# Altium PCB 3-as-manufactured.pcbdoc (part 1 of 12) (continued)
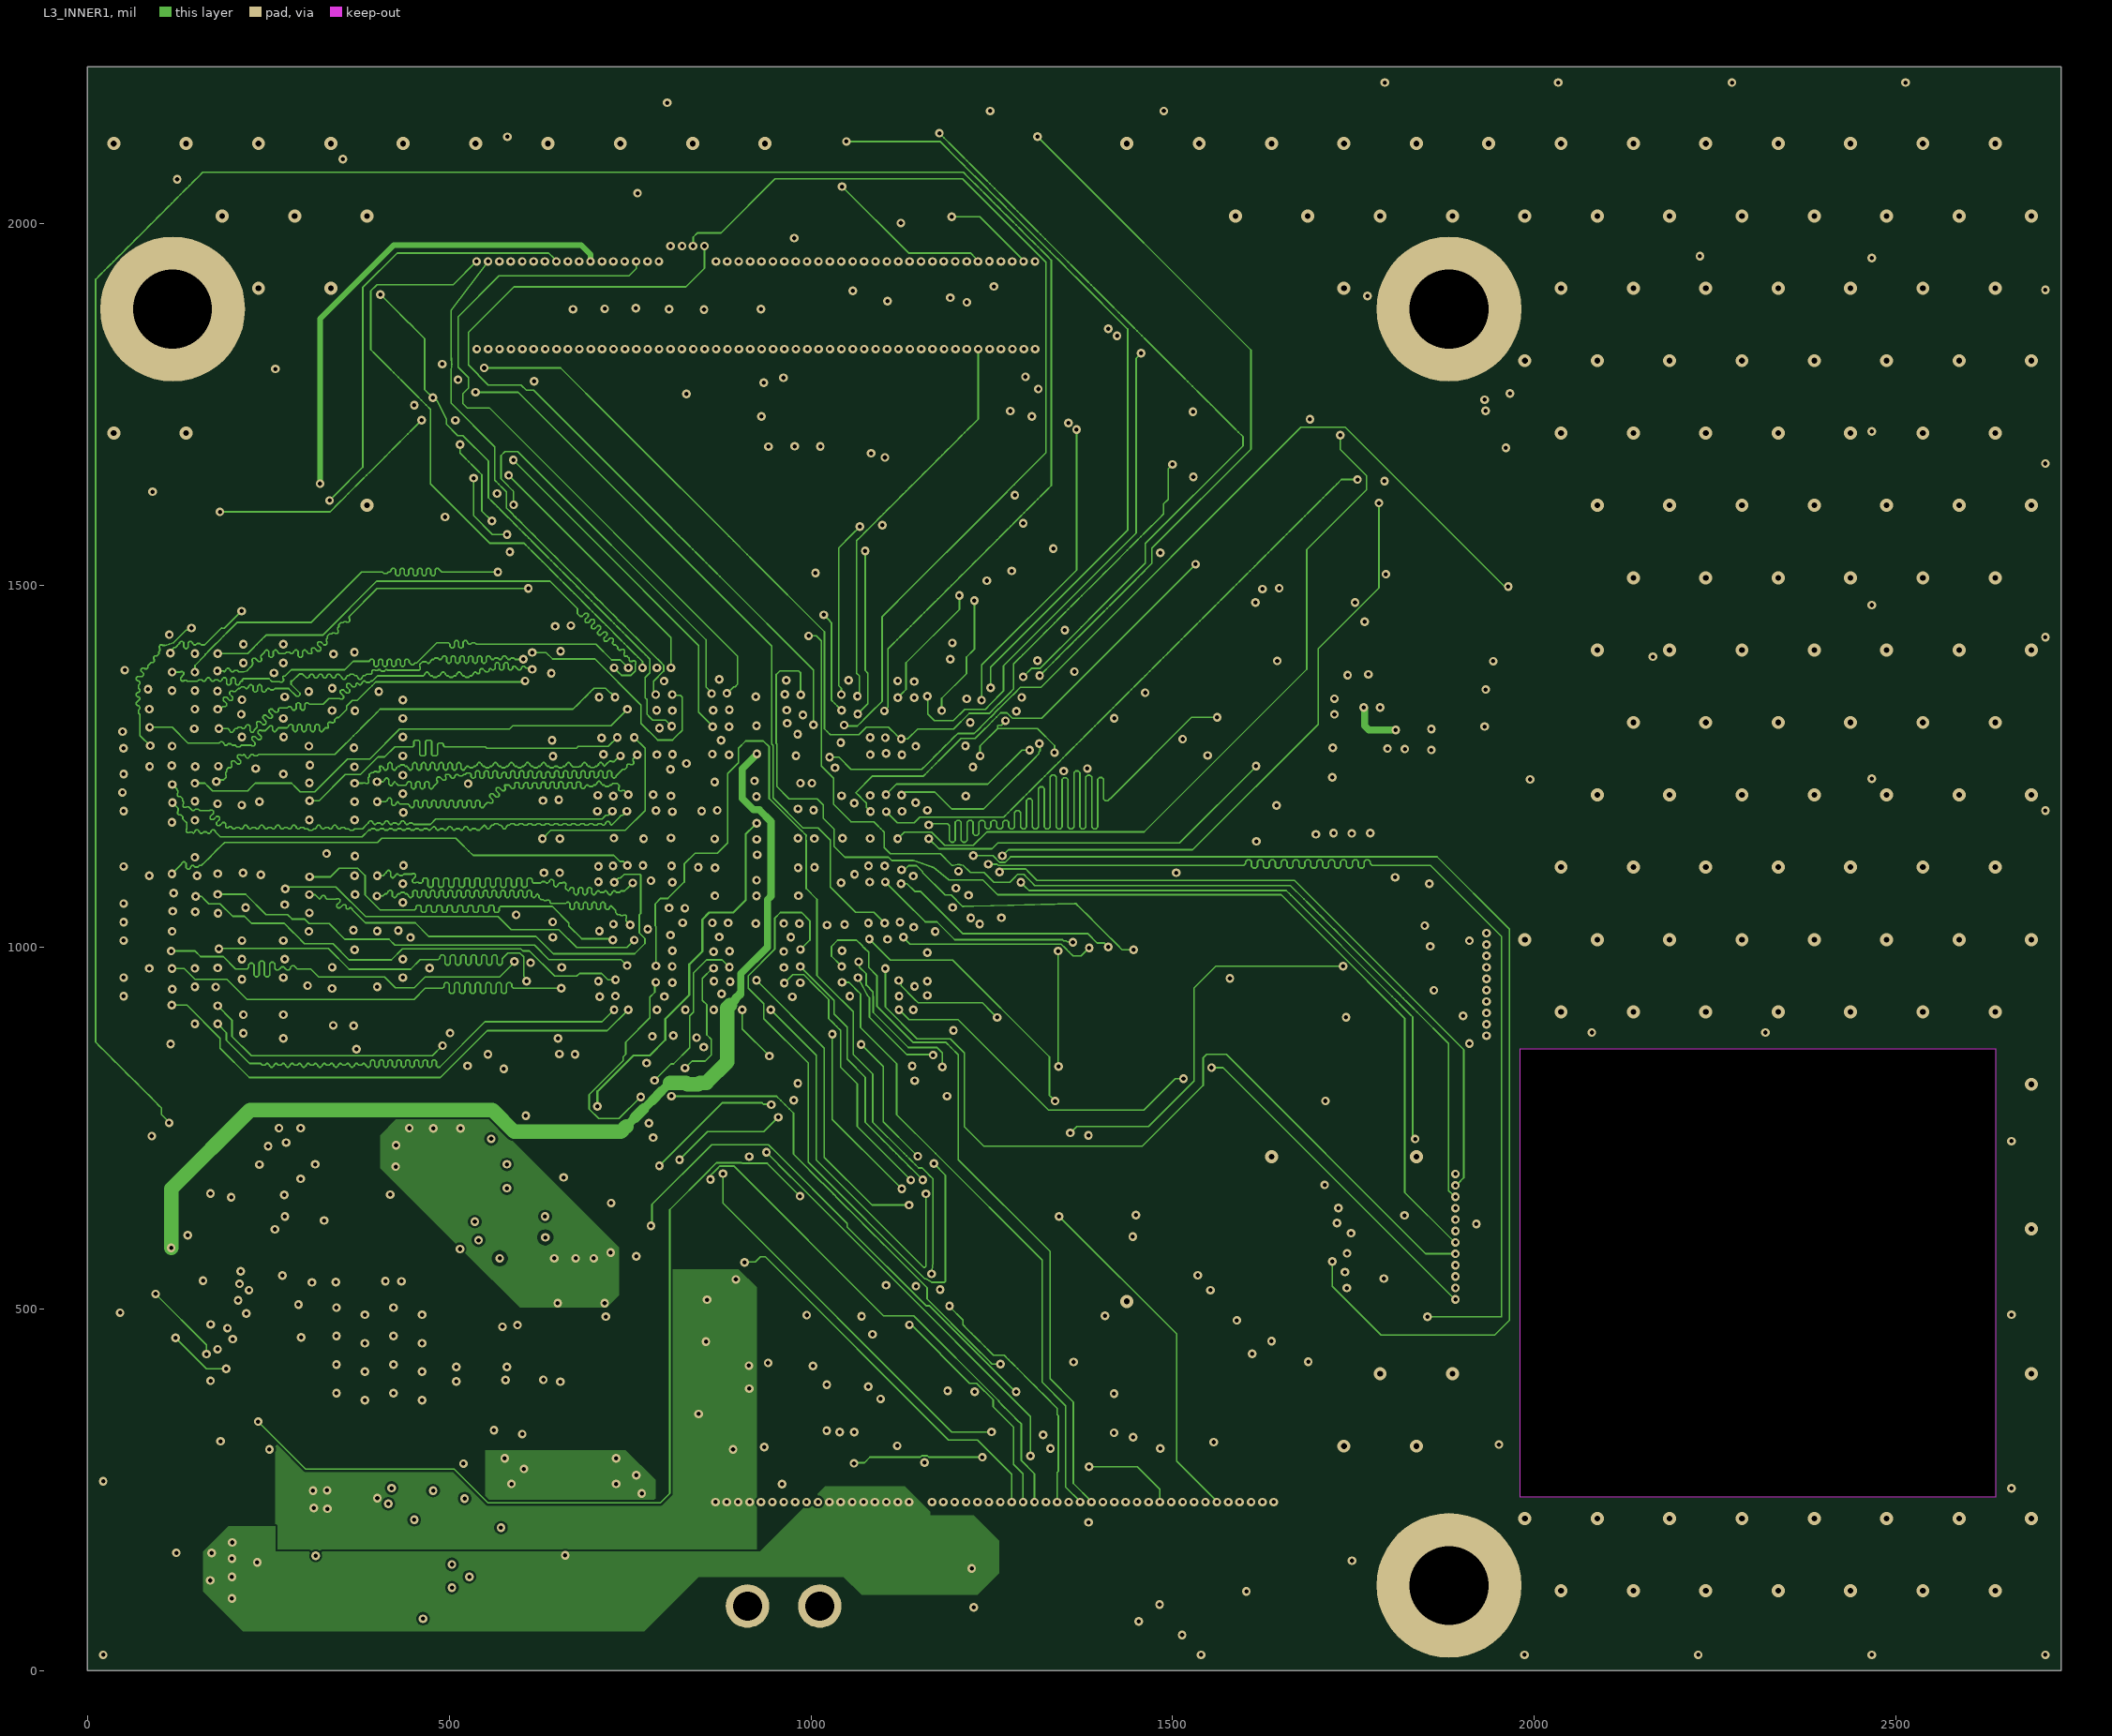
[diagram p3: L3_INNER1]
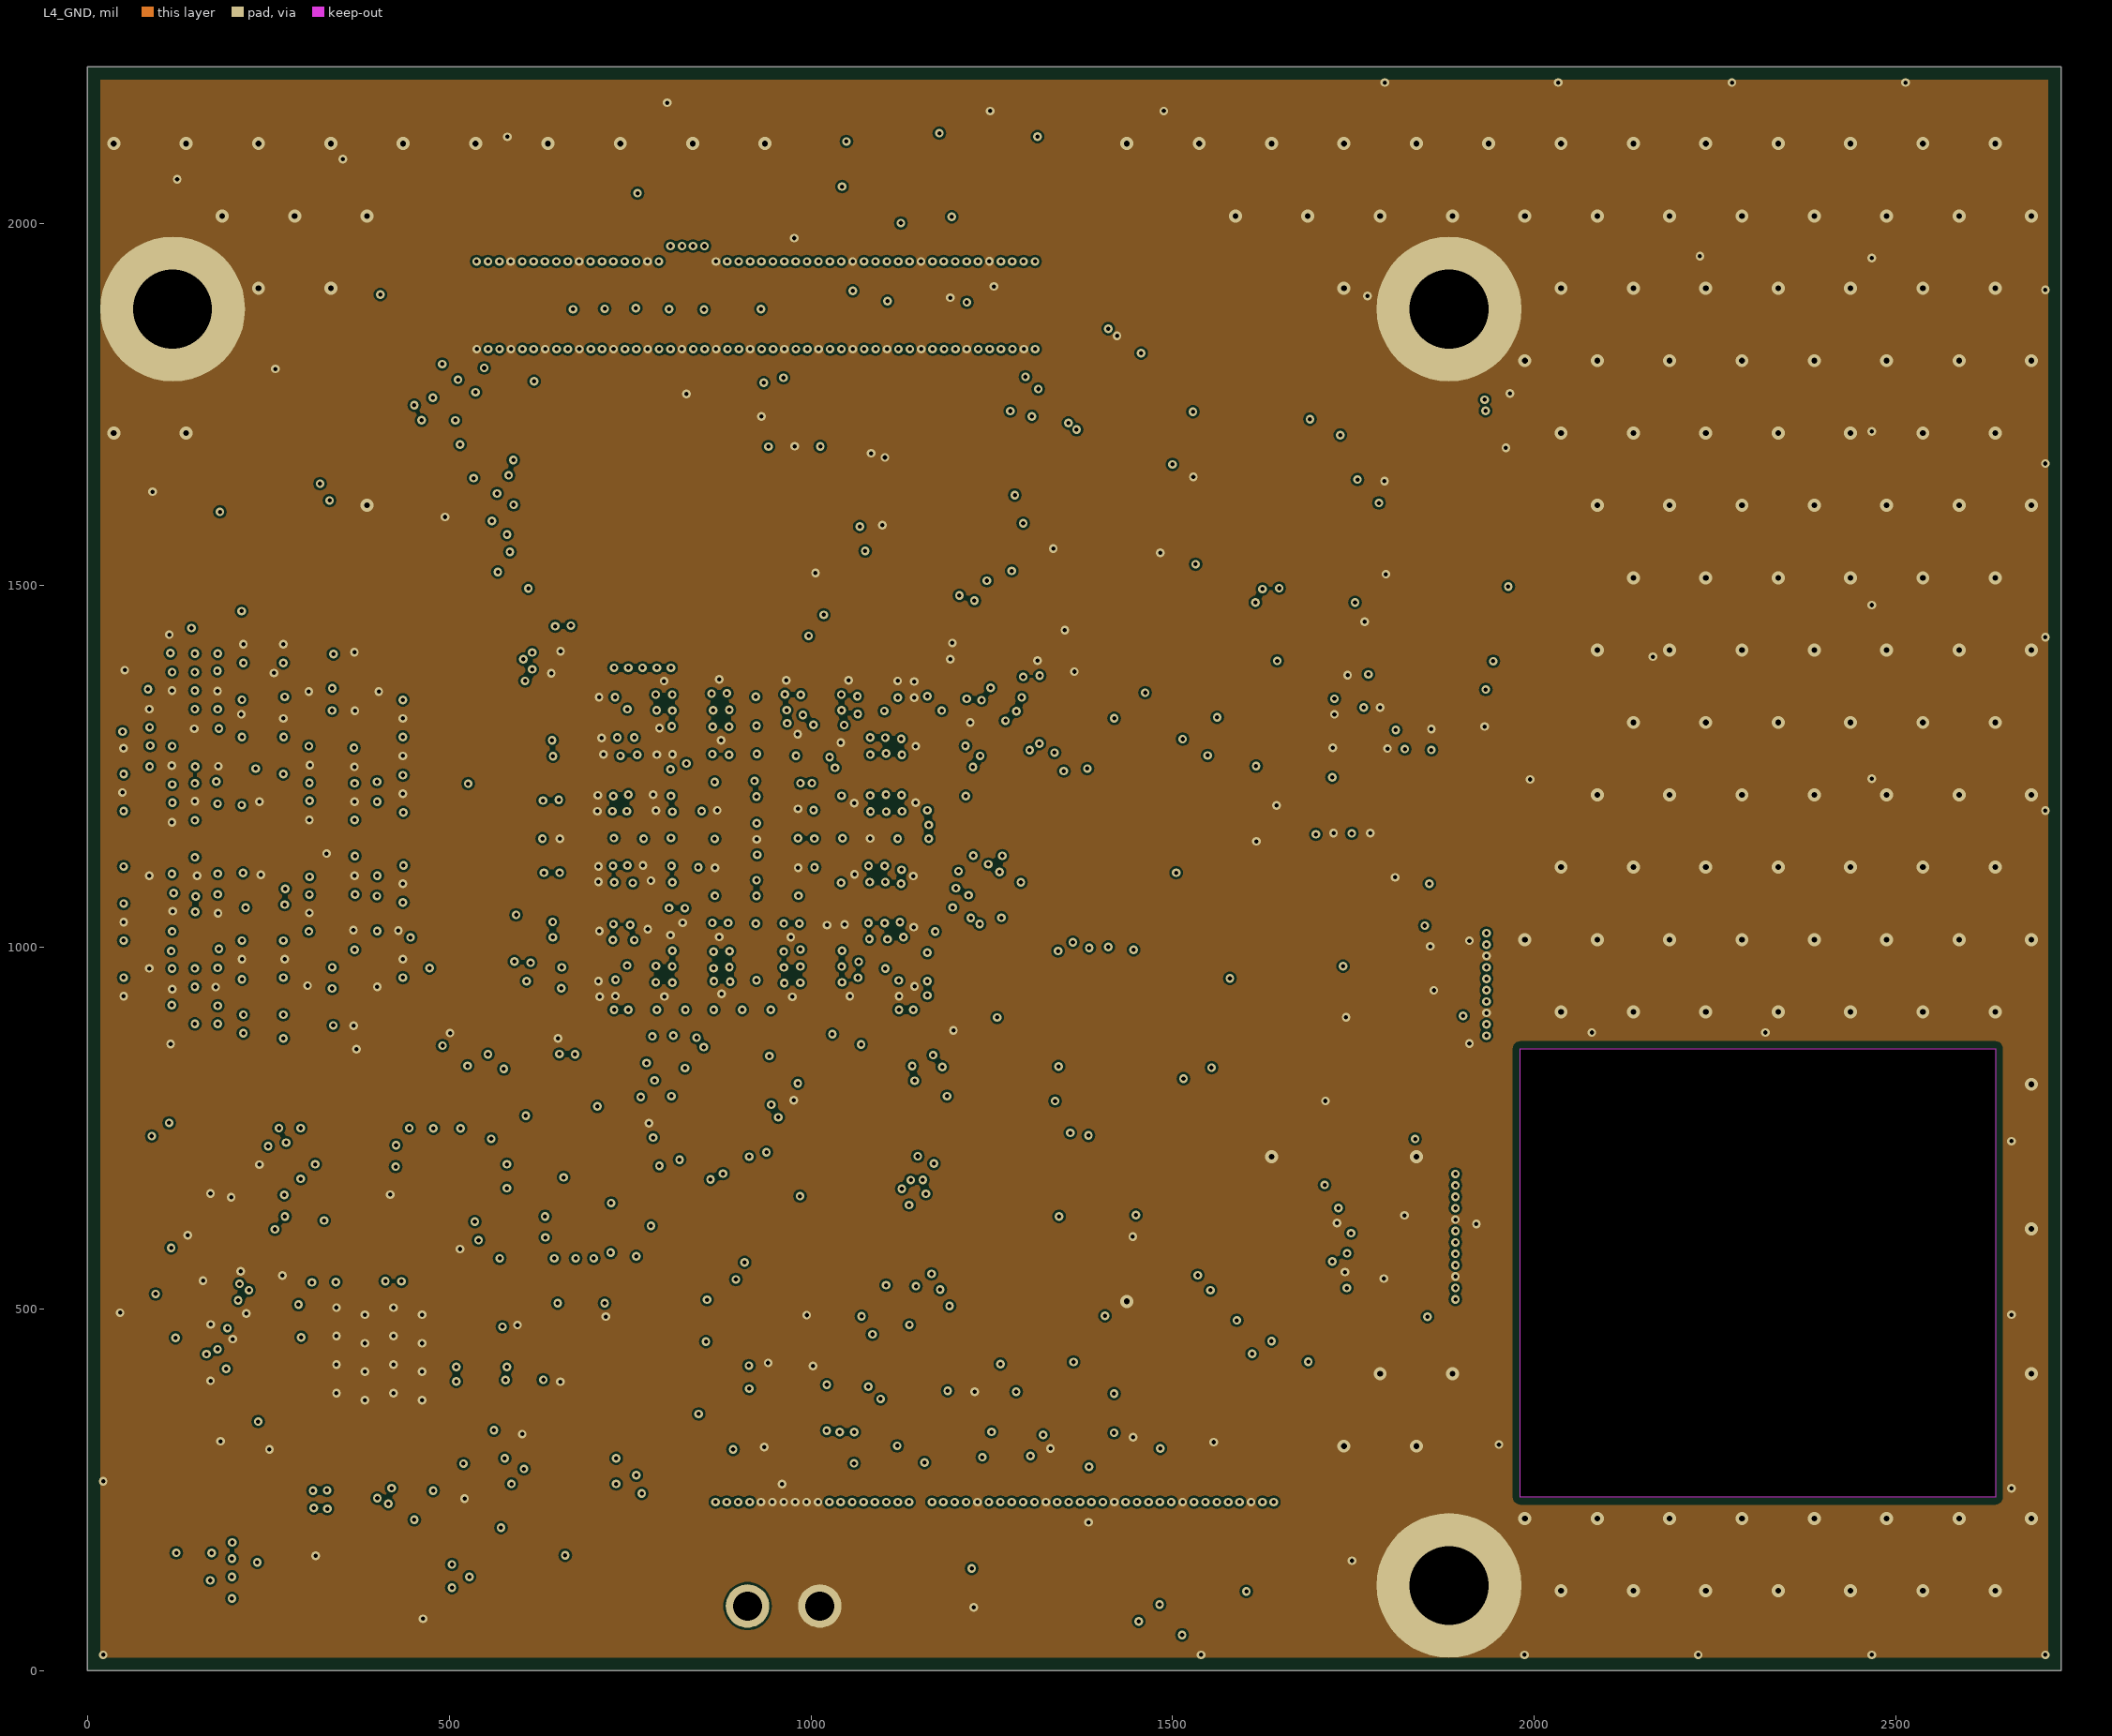
[diagram p4: L4_GND]
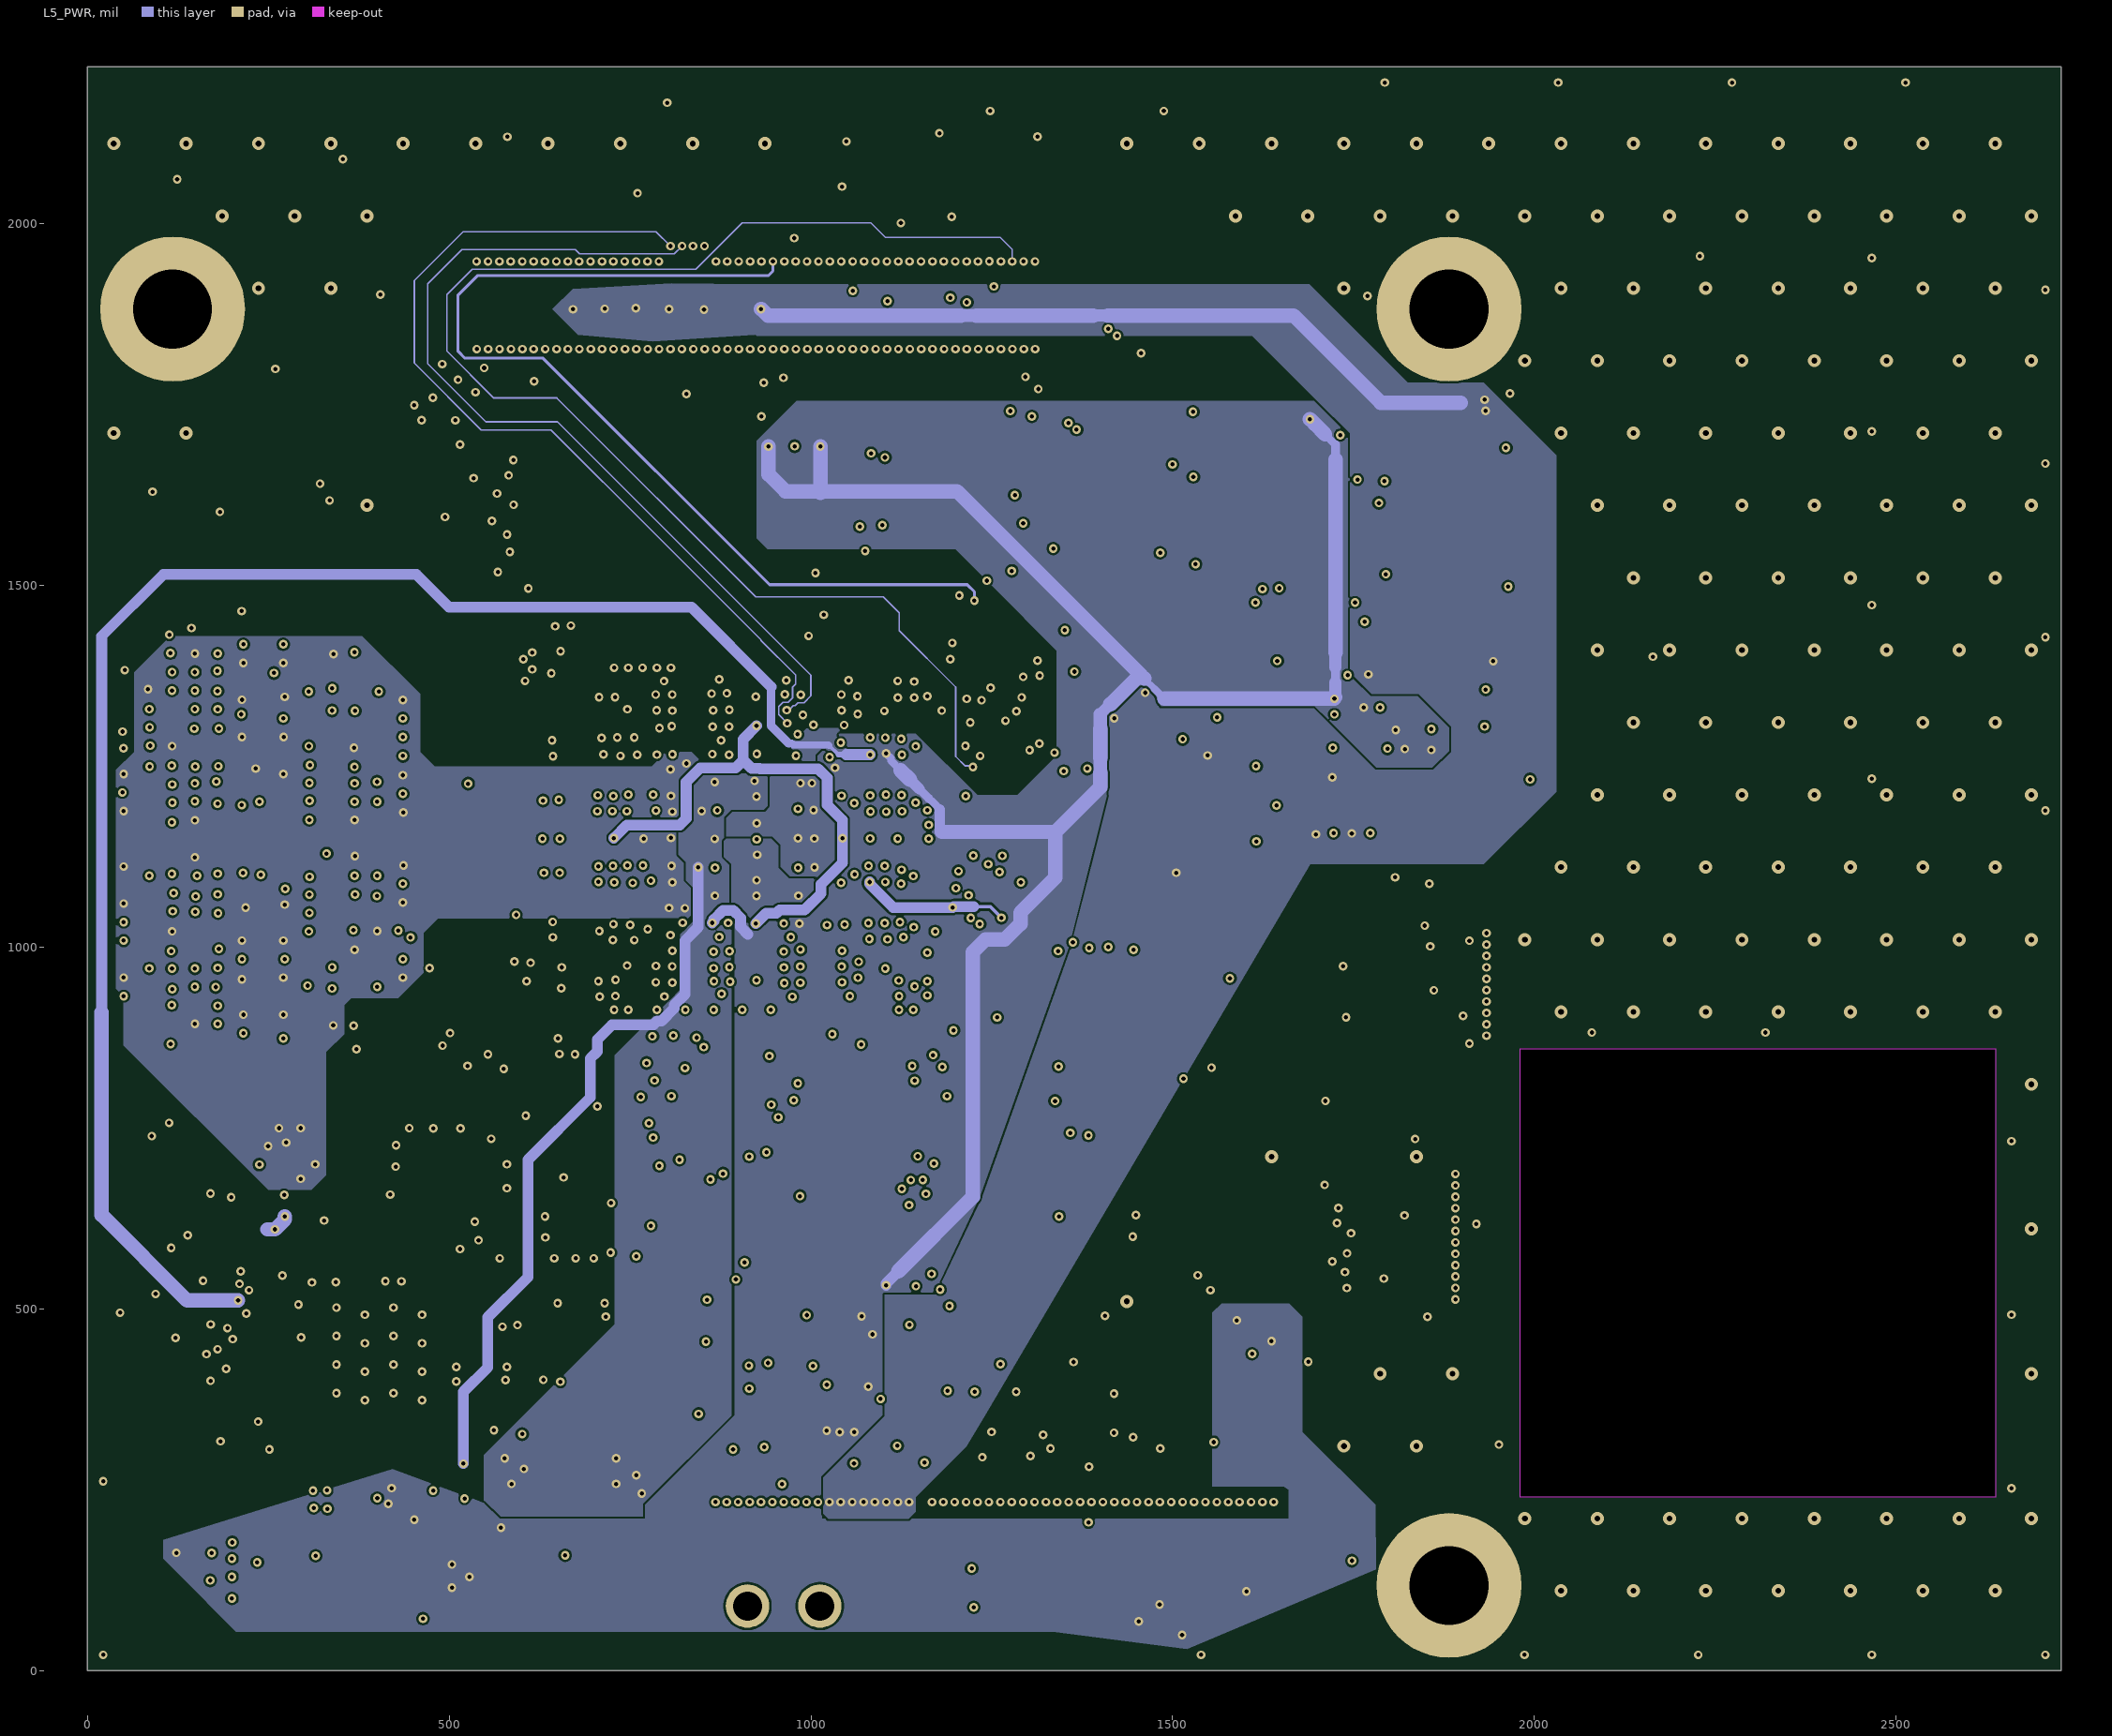
[diagram p5: L5_PWR]
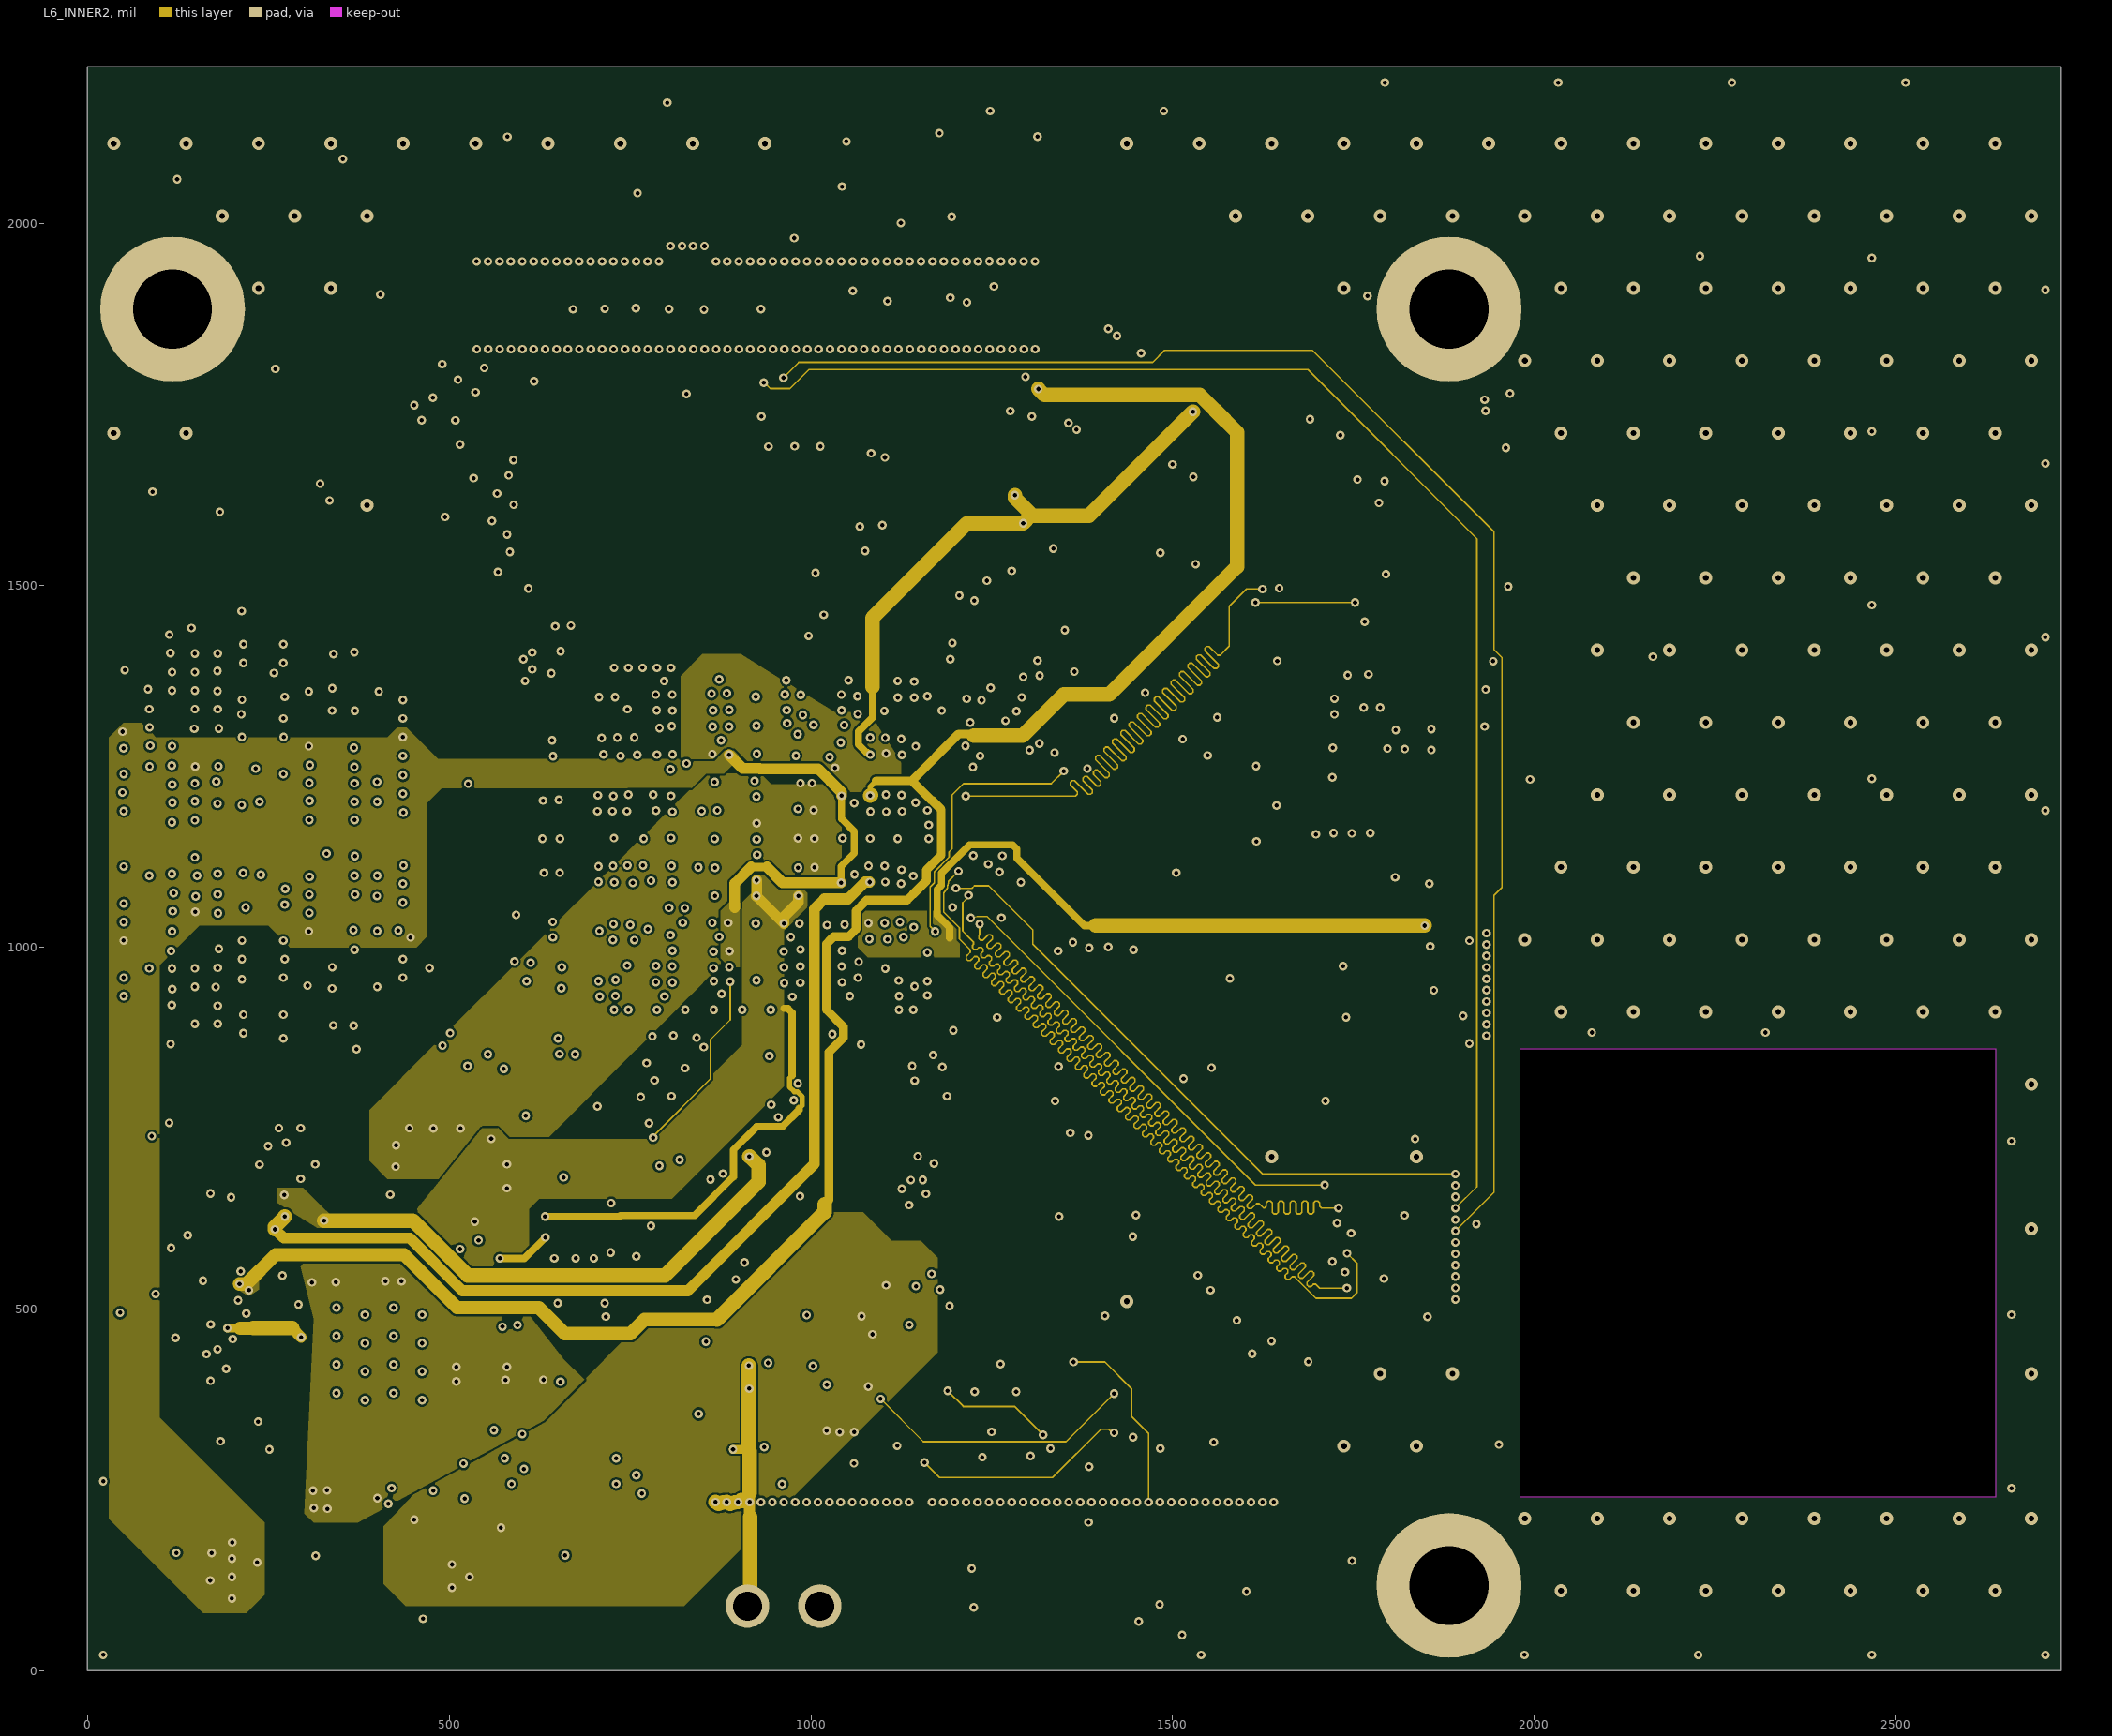
[diagram p6: L6_INNER2]